# Altium PCB PCB_SDR.PcbDoc (part 1 of 6) (continued)
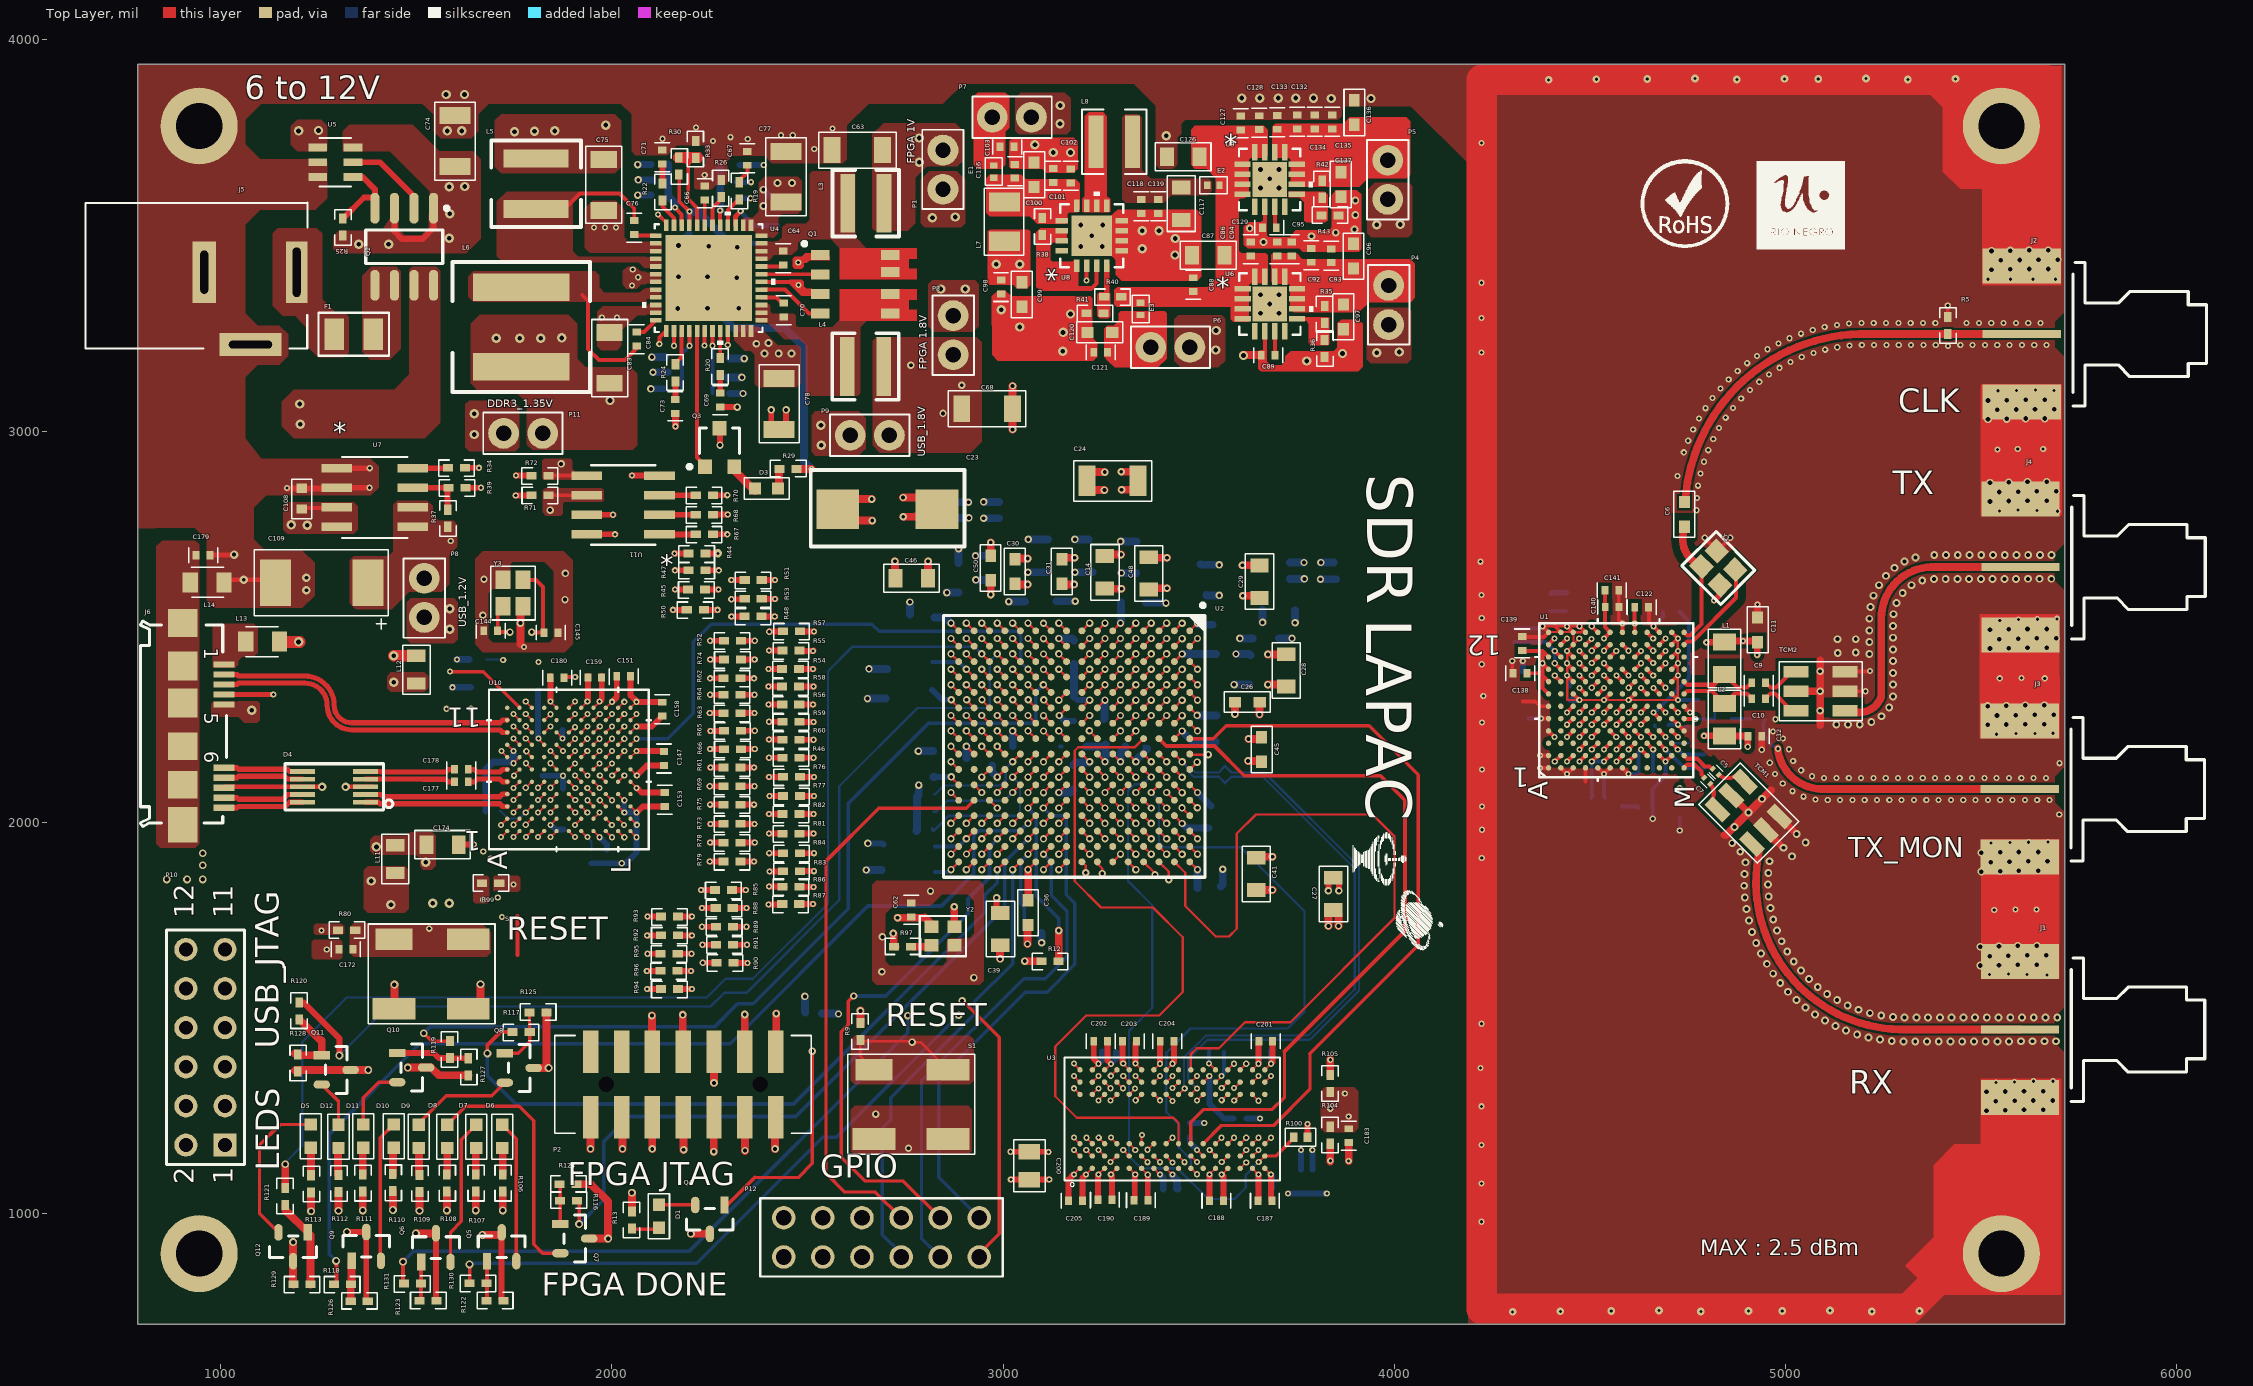
[diagram p0: Top Layer view]
## Classes and differential pairs
net class DDR3_Diff80: DDR3_DQS0_N DDR3_DQS0_P DDR3_DQS1_N DDR3_DQS1_P
net class DDR3_DQS: DDR3_DQS0_N DDR3_DQS0_P DDR3_DQS1_N DDR3_DQS1_P
net class DDR3_DM: DDR3_DM0 DDR3_DM1
net class DDR3_CLK: DDR3_CKL_N DDR3_CKL_P
net class DDR3_BA: DDR3_BA0 DDR3_BA1 DDR3_BA2
net class DDR3_Address: DDR3_A0 DDR3_A1 DDR3_A2 DDR3_A3 DDR3_A4 DDR3_A5 DDR3_A6 DDR3_A7 DDR3_A8 DDR3_A9 DDR3_A10 DDR3_A11 DDR3_A12 DDR3_A13
net class DataGroup: DDR3_DM0 DDR3_DM1 DDR3_DQ0 DDR3_DQ1 DDR3_DQ2 DDR3_DQ3 DDR3_DQ4 DDR3_DQ5 DDR3_DQ6 DDR3_DQ7 DDR3_DQ8 DDR3_DQ9 DDR3_DQ10 DDR3_DQ11 DDR3_DQ12 DDR3_DQ13 DDR3_DQ14 DDR3_DQ15 DDR3_DQS0_N DDR3_DQS0_P DDR3_DQS1_N DDR3_DQS1_P
net class ControlGroup: DDR3_CAS DDR3_CKE DDR3_ODT DDR3_RAS DDR3_RESET DDR3_WE N_CS
net class ClockGroup: DDR3_CKL_N DDR3_CKL_P
net class AddressGroup: DDR3_A0 DDR3_A1 DDR3_A2 DDR3_A3 DDR3_A4 DDR3_A5 DDR3_A6 DDR3_A7 DDR3_A8 DDR3_A9 DDR3_A10 DDR3_A11 DDR3_A12 DDR3_A13 DDR3_BA0 DDR3_BA1 DDR3_BA2
net class GPIO[5..0]: GPIO0 GPIO1 GPIO2 GPIO3 GPIO4 GPIO5
net class RF_Diff100: C_RXA_N C_RXA_P C_TXA_N C_TXA_P RXA_N RXA_P TXA_N TXA_P XTAL_N XTAL_P
net class DDR3_Diff100: DDR3_CKL_N DDR3_CKL_P DDR3_DQS0_N DDR3_DQS0_P DDR3_DQS1_N DDR3_DQS1_P
net class DDR3_Data: DDR3_DQ0 DDR3_DQ1 DDR3_DQ2 DDR3_DQ3 DDR3_DQ4 DDR3_DQ5 DDR3_DQ6 DDR3_DQ7 DDR3_DQ8 DDR3_DQ9 DDR3_DQ10 DDR3_DQ11 DDR3_DQ12 DDR3_DQ13 DDR3_DQ14 DDR3_DQ15
net class AD9364_CTRL_OUT[7..0]: AD9364_CTRL_OUT0 AD9364_CTRL_OUT1 AD9364_CTRL_OUT2 AD9364_CTRL_OUT3 AD9364_CTRL_OUT4 AD9364_CTRL_OUT5 AD9364_CTRL_OUT6 AD9364_CTRL_OUT7
net class AD9364_CTRL_IN[3..0]: AD9364_CTRL_IN0 AD9364_CTRL_IN1 AD9364_CTRL_IN2 AD9364_CTRL_IN3
net class AD9364_SPI_4Wires: SPI_CLK SPI_DI SPI_DO SPI_EN
net class USB_R_Control: R_CTL0 R_CTL1 R_CTL2 R_CTL3 R_CTL4 R_CTL5 R_CTL6 R_CTL7 R_CTL8 R_CTL9 R_CTL10 R_CTL11 R_CTL12
net class LEDS[7..0]: LEDS0 LEDS1 LEDS2 LEDS3 LEDS4 LEDS5 LEDS6 LEDS7
net class DIFF_90: CAPTX_N CAPTX_P D_N D_P ESDSSRX_N ESDSSRX_P ESDSSTX_N ESDSSTX_P SSRX_N SSRX_P SSTX_N SSTX_P
net class "USB 3.0": CAPTX_N CAPTX_P D_N D_P ESDSSRX_N ESDSSRX_P
component class GPIO: C211 D5 D6 D7 D8 D9 D10 D11 D12 P12 Q5 Q6 Q7 Q8 Q9 Q10 Q11 Q12 R106 R107 R108 R109 R110 R111 R112 R113 R116 R117 R118 R119 R120 R121 R122 R123 R124 R125 R126 R127 R128 R129 R130 R131
component class USB_3.0: C144 C145 C146 C147 C148 C149 C150 C151 C152 C153 C154 C155 C156 C157 C158 C159 C160 C161 C162 C163 C164 C165 C166 C167 C168 C169 C170 C171 C172 C173 C174 C175 C176 C177 C178 C179 C180 D4 J6 L9 L10 L11 L12 L13 L14 P8 P9 P10 R44 R45 R46 R47 R48 R49 R50 R51 R52 R53 R54 R55 R56 R57 R58 R59 R60 R61 R62 R63 R64 R65 R66 R67 R68 R69 R70 R71 R72 R73 R74 R75 R76 R77 R78 R79 R80 R81 R82 R83 R84 R85 R86 R87 R88 R89 R90 R91 R92 R93 R94 R95 R96 R98 R99 S2 U10 U11 Y3
component class Power: C63 C64 C65 C66 C67 C68 C69 C70 C71 C72 C73 C74 C75 C76 C77 C78 C79 C80 C81 C82 C83 C84 C85 C86 C87 C88 C89 C92 C93 C94 C95 C96 C97 C98 C99 C100 C101 C102 C103 C108 C109 C116 C117 C118 C119 C120 C121 C126 C127 C128 C129 C132 C133 C134 C135 C136 C137 D3 E1 E2 E3 F1 J5 L3 L4 L5 L6 L7 L8 P4 P5 P6 P7 Q1 Q2 Q3 R17 R18 R19 R20 R21 R22 R23 R24 R25 R26 R27 R28 R29 R30 R31 R32 R33 R34 R35 R36 R37 R38 R39 R40 R41 R42 R43 R114 R115 U4 U5 U6 U7 U8 U9
component class FPGA: C13 C14 C15 C16 C17 C18 C19 C20 C21 C22 C23 C24 C25 C26 C27 C28 C29 C30 C31 C32 C33 C34 C35 C36 C37 C38 C39 C40 C41 C42 C43 C44 C45 C46 C47 C48 C49 C50 C51 C52 C53 C54 C55 C56 C57 C58 C59 C62 D1 P1 P2 P3 Q4 R9 R10 R11 R12 R13 R14 R15 R16 R97 S1 U2 Y2
component class AD9364_RF: C5 C6 C7 C8 C9 C10 C11 C12 J1 J2 J3 J4 L1 L2 PGA1 R5 R6 R7 TCBT1 TCM1 TCM2 x1 Y1
component class AD9364_Interface: C1 C2 C3 C4 C90 C91 C104 C105 C106 C107 C110 C111 C112 C113 C114 C115 C122 C123 C124 C125 C130 C131 C138 C139 C140 C141 C142 C143 R1 R2 R3 R4 U1
net class F_CTL[12..0]: F_CTL0 F_CTL1 F_CTL2 F_CTL3 F_CTL4 F_CTL5 F_CTL6 F_CTL7 F_CTL8 F_CTL9 F_CTL10 F_CTL11 F_CTL12
net class F_DQ[31..0]: F_DQ0 F_DQ1 F_DQ2 F_DQ3 F_DQ4 F_DQ5 F_DQ6 F_DQ7 F_DQ8 F_DQ9 F_DQ10 F_DQ11 F_DQ12 F_DQ13 F_DQ14 F_DQ15 F_DQ16 F_DQ17 F_DQ18 F_DQ19 F_DQ20 F_DQ21 F_DQ22 F_DQ23 F_DQ24 F_DQ25 F_DQ26 F_DQ27 F_DQ28 F_DQ29 F_DQ30 F_DQ31
component class DDR3_Memory: C61 C181 C182 C183 C186 C187 C188 C189 C190 C193 C194 C195 C196 C200 C201 C202 C203 C204 C205 C206 C207 P11 R100 R101 R102 R103 R104 R105 R132 U3
net class DDR3_DQ[0..15]: DDR3_DQ0 DDR3_DQ1 DDR3_DQ2 DDR3_DQ3 DDR3_DQ4 DDR3_DQ5 DDR3_DQ6 DDR3_DQ7 DDR3_DQ8 DDR3_DQ9 DDR3_DQ10 DDR3_DQ11 DDR3_DQ12 DDR3_DQ13 DDR3_DQ14 DDR3_DQ15
net class DDR3_A[0..13]: DDR3_A0 DDR3_A1 DDR3_A2 DDR3_A3 DDR3_A4 DDR3_A5 DDR3_A6 DDR3_A7 DDR3_A8 DDR3_A9 DDR3_A10 DDR3_A11 DDR3_A12 DDR3_A13
net class DDR3_BA[0..2]: DDR3_BA0 DDR3_BA1 DDR3_BA2
net class DDR3_DM[0..1]: DDR3_DM0 DDR3_DM1
net class AD9364_Digital: AD9364_CTRL_IN0 AD9364_CTRL_IN1 AD9364_CTRL_IN2 AD9364_CTRL_IN3 AD9364_CTRL_OUT0 AD9364_CTRL_OUT1 AD9364_CTRL_OUT2 AD9364_CTRL_OUT3 AD9364_CTRL_OUT4 AD9364_CTRL_OUT5 AD9364_CTRL_OUT6 AD9364_CTRL_OUT7 AD9364_P0D0 AD9364_P0D1 AD9364_P0D2 AD9364_P0D3 AD9364_P0D4 AD9364_P0D5 AD9364_P0D6 AD9364_P0D7 AD9364_P0D8 AD9364_P0D9 AD9364_P0D10 AD9364_P0D11 AD9364_P1D0 AD9364_P1D1 AD9364_P1D2 AD9364_P1D3 AD9364_P1D4 AD9364_P1D5 AD9364_P1D6 AD9364_P1D7 AD9364_P1D8 AD9364_P1D9 AD9364_P1D10 AD9364_P1D11 CLK_OUT DATA_CLK EN_AGC ENABLE_AD9364 F_FB_CLK F_RX_FRAME F_TX_FRAME SPI_CLK SPI_DI SPI_DO SPI_EN SYNC_IN_F TXNRX
net class USB_R_DATA: R_DQ0 R_DQ1 R_DQ2 R_DQ3 R_DQ4 R_DQ5 R_DQ6 R_DQ7 R_DQ8 R_DQ9 R_DQ10 R_DQ11 R_DQ12 R_DQ13 R_DQ14 R_DQ15 R_DQ16 R_DQ17 R_DQ18 R_DQ19 R_DQ20 R_DQ21 R_DQ22 R_DQ23 R_DQ24 R_DQ25 R_DQ26 R_DQ27 R_DQ28 R_DQ29 R_DQ30 R_DQ31
net class AD9364_Other: CLK_OUT DATA_CLK EN_AGC ENABLE_AD9364 F_FB_CLK F_RX_FRAME F_TX_FRAME SYNC_IN_F TXNRX
net class AD9364_P1D[11..0]: AD9364_P1D0 AD9364_P1D1 AD9364_P1D2 AD9364_P1D3 AD9364_P1D4 AD9364_P1D5 AD9364_P1D6 AD9364_P1D7 AD9364_P1D8 AD9364_P1D9 AD9364_P1D10 AD9364_P1D11
net class AD9364_DataPorts: AD9364_P0D0 AD9364_P0D1 AD9364_P0D2 AD9364_P0D3 AD9364_P0D4 AD9364_P0D5 AD9364_P0D6 AD9364_P0D7 AD9364_P0D8 AD9364_P0D9 AD9364_P0D10 AD9364_P0D11 AD9364_P1D0 AD9364_P1D1 AD9364_P1D2 AD9364_P1D3 AD9364_P1D4 AD9364_P1D5 AD9364_P1D6 AD9364_P1D7 AD9364_P1D8 AD9364_P1D9 AD9364_P1D10 AD9364_P1D11
net class AD9364_P0D[11..0]: AD9364_P0D0 AD9364_P0D1 AD9364_P0D2 AD9364_P0D3 AD9364_P0D4 AD9364_P0D5 AD9364_P0D6 AD9364_P0D7 AD9364_P0D8 AD9364_P0D9 AD9364_P0D10 AD9364_P0D11
net class AD9364_Clock: XTAL_N XTAL_P
net class AD9364_RF: C_RXA_N C_RXA_P C_TXA_N C_TXA_P TX_MON XTAL_N XTAL_P
net class AD9364_Rx: C_RXA_N C_RXA_P
net class AD9364_TxMon: TX_MON
net class AD9364_Tx: C_TXA_N C_TXA_P
net class FPGA_Signals: F_CTL0 F_CTL1 F_CTL2 F_CTL3 F_CTL4 F_CTL5 F_CTL6 F_CTL7 F_CTL8 F_CTL9 F_CTL10 F_CTL11 F_CTL12 F_DQ0 F_DQ1 F_DQ2 F_DQ3 F_DQ4 F_DQ5 F_DQ6 F_DQ7 F_DQ8 F_DQ9 F_DQ10 F_DQ11 F_DQ12 F_DQ13 F_DQ14 F_DQ15 F_DQ16 F_DQ17 F_DQ18 F_DQ19 F_DQ20 F_DQ21 F_DQ22 F_DQ23 F_DQ24 F_DQ25 F_DQ26 F_DQ27 F_DQ28 F_DQ29 F_DQ30 F_DQ31 F_INT_CTL F_PCLK FCS_B FPGA_CCLK FPGA_CLK_100MHZ FPGA_DONE FPGA_JTAG_TCK FPGA_JTAG_TDI FPGA_JTAG_TDO FPGA_JTAG_TMS FPGA_PROGRA_B FPGA_PUDC_B FPGA_SPI_MISO FPGA_SPI_MOSI FX3_GPIO52 GPIO0 GPIO1 GPIO2 GPIO3 GPIO4 GPIO5 LEDS0 LEDS1 LEDS2 LEDS3 LEDS4 LEDS6 LEDS7 M0 M1 M2
net class USB_FPGA_Confing: FPGA_CCLK FPGA_PROGRA_B FPGA_SPI_MISO FPGA_SPI_MOSI FX3_GPIO52
differential pair XTAL: +XTAL_P -XTAL_N
differential pair TXA: +TXA_P -TXA_N
differential pair RXA: +RXA_P -RXA_N
differential pair C_TXA: +C_TXA_P -C_TXA_N
differential pair C_RXA: +C_RXA_P -C_RXA_N
differential pair DDR3_DQS0: +DDR3_DQS0_P -DDR3_DQS0_N
differential pair DDR3_DQS1: +DDR3_DQS1_P -DDR3_DQS1_N
differential pair DDR3_CKL: +DDR3_CKL_P -DDR3_CKL_N
differential pair CAPTX: +CAPTX_P -CAPTX_N
differential pair D: +D_P -D_N
differential pair ESDSSRX: +ESDSSRX_P -ESDSSRX_N
differential pair ESDSSTX: +ESDSSTX_P -ESDSSTX_N
differential pair SSRX: +SSRX_P -SSRX_N
differential pair SSTX: +SSTX_P -SSTX_N

## Components (designator, comment, footprint, x,y, rotation, side; value= is the part's Value field where it differs from the comment)
C1 "Cap" GRM0402MurataCap 4639.85,2087 r0 bottom
C2 "Cap" GRM0402MurataCap 4457.44,2537.43 r0 bottom
C3 "10V" GRM0402MurataCap 4641.85,2037 r0 bottom
C4 "10V" GRM0402MurataCap 4457.44,2586.64 r0 bottom
C5 "Cap" C0603C061H180J 4821,2129 r135 top
C6 "Cap" GRM0603MurataCap 4741,2787 r90 top
C7 "Cap" C0603C061H180J 4799,2106 r135 top
C8 "Cap" GRM0402MurataCap 4929,2265 r0 bottom
C9 "Cap" GRM0402MurataCap 4930.85,2357 r180 top
C10 "Cap" GRM0402MurataCap 4930.85,2316 r180 top
C11 "Cap" GRM0603MurataCap 4928,2492 r270 top
C12 "Cap" GRM0402MurataCap 4921,2220 r0 top
C13 "Cap" GRM0805MurataCap 3111,2682 r90 bottom
C14 "Cap" GRM0805MurataCap 3260,2639 r90 top
C15 "Cap" GRM0805MurataCap 3097.15,2565 r0 bottom
C16 "Cap" GRM0805MurataCap 3350,2677 r270 bottom
C17 "Cap" GRM0603MurataCap 3343,2194 r0 bottom
C18 "Cap" GRM0603MurataCap 3177,2194 r0 bottom
C19 "Cap" GRM0603MurataCap 3181,2290 r90 bottom
C20 "Cap" GRM0603MurataCap 3259,2227 r270 bottom
C21 "Cap" GRM0603MurataCap 3056,2195 r180 bottom
C22 "Cap" GRM0603MurataCap 3180,2107 r270 bottom
C23 "Cap Pol3" 7343 2704,2800 r180 top
C24 "Cap" GRM1210MurataCap 3279.5,2873 r0 top
C25 "Cap" GRM0603MurataCap 3672,2472 r180 bottom
C26 "Cap" GRM0603MurataCap 3624,2307 r0 top
C27 "Cap" GRM0805MurataCap 3844,1817 r90 top
C28 "Cap" GRM0805MurataCap 3723,2388 r90 top
C29 "Cap" GRM0805MurataCap 3655,2615 r270 top
C30 "Cap" GRM0603MurataCap 3030,2641 r90 top
C31 "Cap" GRM0603MurataCap 3150,2641 r90 top
C32 "Cap" GRM0603MurataCap 3634,2391 r90 bottom
C33 "Cap" GRM0603MurataCap 2818,2370 r270 bottom
C34 "Cap" GRM0805MurataCap 2705,2352 r270 bottom
C35 "Cap" GRM0805MurataCap 3504,2618 r270 bottom
C36 "Cap" GRM0603MurataCap 3063,1769 r270 top
C37 "Cap" GRM0603MurataCap 2821,1903 r270 bottom
C38 "Cap" GRM0603MurataCap 2938,2153 r180 bottom
C39 "Cap" GRM0805MurataCap 2993,1727 r270 top
C40 "Cap" GRM0603MurataCap 2825,2155 r90 bottom
C41 "Cap" GRM0805MurataCap 3647,1868 r270 top
C42 "Cap" GRM0603MurataCap 3537,2012 r90 bottom
C43 "Cap" GRM0603MurataCap 3525,1832 r0 bottom
C44 "Cap" GRM0603MurataCap 2694,1912 r270 bottom
C45 "Cap" GRM0603MurataCap 3660,2186 r270 top
C46 "Cap" GRM0805MurataCap 2766,2624 r0 top
C47 "Cap" GRM0805MurataCap 3238,2681 r90 bottom
C48 "Cap" GRM0805MurataCap 3372,2636 r90 top
C49 "Cap" GRM0603MurataCap 2793,2523 r180 bottom
C50 "Cap" GRM0603MurataCap 2968,2650 r90 top
C51 "Cap" GRM0603MurataCap 2967,2650 r90 bottom
C52 "Cap" GRM0805MurataCap 3705,2557 r0 bottom
C53 "Cap" GRM0603MurataCap 3544,2240 r270 bottom
C54 "Cap" GRM0603MurataCap 3540,2468 r90 bottom
C55 "Cap" GRM0603MurataCap 3333,2561 r0 bottom
C56 "Cap" GRM0603MurataCap 2886,2623 r90 bottom
C57 "Cap" GRM0603MurataCap 3180,2434 r270 bottom
C58 "Cap" GRM1210MurataCap 2938,2799 r180 bottom
C59 "Cap" GRM1210MurataCap 3789.85,2646 r0 bottom
C61 "Cap" GRM0402MurataCap 3669,1418 r0 bottom
C62 "Cap" GRM0402MurataCap 2765,1776 r90 top
C63 "Cout11" GRM1206MurataCap 2627,3718 r0 top
C64 "Cbst11" GRM0402MurataCap 2438,3442 r90 top
C65 "Cf11" GRM0402MurataCap 2298,3636 r0 bottom
C66 "Cv" GRM0402MurataCap 2237,3608 r270 top
C67 "Cc11" GRM0402MurataCap 2346,3697 r90 top
C68 "Cout12" GRM1206MurataCap 2959,3057 r180 top
C69 "Cc12" GRM0402MurataCap 2276.57,3078.94 r270 top
C70 "Cbst12" GRM0402MurataCap 2439,3309 r270 top
C71 "Cc13" GRM0402MurataCap 2129,3700 r90 top
C72 "Cf12" GRM0402MurataCap 2277,3137 r0 bottom
C73 "Cc14" GRM0402MurataCap 2162,3063 r270 top
C74 "Cap" GRM1210MurataCap 1599,3741 r270 top
C75 "Cout13" GRM1206MurataCap 1979,3629 r90 top
C76 "Cbst13" GRM0402MurataCap 2057,3520 r90 top
C77 "Cin11" GRM1210MurataCap 2445,3650 r270 top
C78 "Cin12" GRM1210MurataCap 2427,3069 r90 top
C79 "Cin13" GRM1210MurataCap 1985,3501 r270 bottom
C80 "Cin14" GRM1210MurataCap 1986,3291 r90 bottom
C81 "Cvreg" GRM0402MurataCap 2197,3525 r270 bottom
C82 "Cf13" GRM0402MurataCap 2122,3642 r180 bottom
C83 "Cout14" GRM1206MurataCap 1994,3187 r270 top
C84 "Cbst14" GRM0402MurataCap 2063,3235 r270 top
C85 "Cf14" GRM0402MurataCap 2159.25,3150.13 r180 bottom
C86 "Cap" GRM0402MurataCap 3633,3465 r270 top
C87 "Cap" GRM0805MurataCap 3524,3449 r0 top
C88 "Cap" GRM0402MurataCap 3486,3374 r270 top
C89 "Cap" GRM0402MurataCap 3677.11,3194 r180 top
C90 "Cap" GRM0402MurataCap 4344.85,2478 r270 bottom
C91 "10V" GRM0402MurataCap 4306.85,2478 r270 bottom
C92 "Cap" GRM0402MurataCap 3787.37,3449 r270 top
C93 "Cap" GRM0402MurataCap 3838,3448 r270 top
C94 "Cap" GRM0402MurataCap 3700,3465 r270 top
C95 "Cap" GRM0402MurataCap 3737,3465 r270 top
C96 "Cap" GRM0603MurataCap 3895,3447 r270 top
C97 "Cap" GRM0603MurataCap 3869.37,3292 r90 top
C98 "Cap" GRM0402MurataCap 2994.37,3368 r90 top
C99 "Cap" GRM0603MurataCap 3048,3349 r90 top
C100 "Cap" GRM0603MurataCap 3079,3655 r270 top
C101 "Cap" GRM0402MurataCap 3128,3653 r270 top
C102 "Cap" GRM0402MurataCap 3173,3652 r270 top
C103 "Cap" GRM0402MurataCap 3010,3726 r180 top
C104 "10V" GRM0402MurataCap 4343,2283 r90 bottom
C105 "Cap" GRM0402MurataCap 4428.85,2349 r180 bottom
C106 "Cap" GRM0402MurataCap 4428.85,2309 r180 bottom
C107 "10V" GRM0402MurataCap 4328,2367 r270 bottom
C108 "Cap Pol3" CapTalCaseM 1207,2827 r90 top
C109 "Cap Pol3" TAJ_DorE2917 1258,2612 r180 top
C110 "Cap" GRM0402MurataCap 4522,2060 r180 bottom
C111 "10V" GRM0402MurataCap 4522,2095 r180 bottom
C112 "Cap" GRM0402MurataCap 4641.85,2161 r0 bottom
C113 "10V" GRM0402MurataCap 4641.85,2129 r0 bottom
C114 "Cap" GRM0402MurataCap 4790,2152 r270 bottom
C115 "10V" GRM0402MurataCap 4755,2153 r270 bottom
C116 "10V" GRM0402MurataCap 3030,3664 r90 top
C117 "Cap" GRM0805MurataCap 3455,3581 r90 top
C118 "Cap" GRM0402MurataCap 3353,3574 r90 top
C119 "Cap" GRM0402MurataCap 3396,3574 r90 top
C120 "Cap" GRM0603MurataCap 3247,3252 r0 top
C121 "Cap" GRM0402MurataCap 3249,3201 r0 top
C122 "10V" GRM0402MurataCap 4631.85,2550 r180 top
C123 "Cap" GRM0402MurataCap 4596.85,2536 r0 bottom
C124 "Cap" GRM0402MurataCap 4599.85,2478 r0 bottom
C125 "10V" GRM0402MurataCap 4668.85,2536 r180 bottom
C126 "Cap" GRM0805MurataCap 3460,3701 r0 top
C127 "Cap" GRM0402MurataCap 3607,3787 r270 top
C128 "Cap" GRM0402MurataCap 3654,3788 r270 top
C129 "Cap" GRM0402MurataCap 3680.11,3520 r180 top
C130 "Cap" GRM0402MurataCap 4682.85,2248 r180 bottom
C131 "10V" GRM0402MurataCap 4753,2226 r270 bottom
C132 "Cap" GRM0402MurataCap 3751,3790 r270 top
C133 "Cap" GRM0402MurataCap 3700,3789 r270 top
C134 "Cap" GRM0402MurataCap 3796,3790 r270 top
C135 "Cap" GRM0402MurataCap 3841,3790 r270 top
C136 "Cap" GRM0603MurataCap 3897,3814 r270 top
C137 "Cap" GRM0603MurataCap 3863,3630 r90 top
C138 "Cap" GRM0402MurataCap 4321,2381 r0 top
C139 "10V" GRM0402MurataCap 4326.85,2457 r270 top
C140 "Cap" GRM0402MurataCap 4556.43,2550.25 r180 top
C141 "10V" GRM0402MurataCap 4555.44,2592.57 r180 top
C142 "Cap" GRM0402MurataCap 4429.85,2190 r0 bottom
C143 "10V" GRM0402MurataCap 4448,2095 r0 bottom
C144 "Cap" GRM0402MurataCap 1690,2489 r180 top
C145 "Cap" GRM0402MurataCap 1844,2485 r0 top
C146 "Cap" GRM0402MurataCap 1874,2254.03 r270 bottom
C147 "Cap" GRM0402MurataCap 2133,2163 r90 top
C148 "Cap" GRM0402MurataCap 1695,2029 r0 bottom
C149 "Cap" GRM0402MurataCap 1987,1913 r90 bottom
C150 "Cap" GRM0402MurataCap 1884,2340 r0 bottom
C151 "Cap" GRM0402MurataCap 2030,2373 r180 top
C152 "Cap" GRM0402MurataCap 2030,2340 r180 bottom
C153 "Cap" GRM0402MurataCap 2135,2058 r90 top
C154 "Cap" GRM0805MurataCap 1680,2345 r180 bottom
C155 "Cap" GRM0402MurataCap 1675,2275 r90 bottom
C156 "Cap" GRM0402MurataCap 1715,2275 r90 bottom
C157 "Cap" GRM0402MurataCap 1955,2340 r0 bottom
C158 "Cap" GRM0402MurataCap 2128,2289 r270 top
C159 "Cap" GRM0402MurataCap 1956,2370 r0 top
C160 "Cap" GRM0402MurataCap 1735,1891 r0 bottom
C161 "Cap" GRM0402MurataCap 1735,1931 r0 bottom
C162 "Cap" GRM0402MurataCap 1875,1999 r90 bottom
C163 "Cap" GRM0402MurataCap 1875,2069 r270 bottom
C164 "Cap" GRM0402MurataCap 1929,1930 r180 bottom
C165 "Cap" GRM0402MurataCap 1930,1895 r180 bottom
C166 "Cap" GRM0402MurataCap 1795,2378 r180 bottom
C167 "Cap" GRM0402MurataCap 1796,2340 r180 bottom
C168 "Cap" GRM0402MurataCap 1637,2202 r270 bottom
C169 "Cap" GRM0402MurataCap 1678,2202 r90 bottom
C170 "Cap" GRM0402MurataCap 1677,1970 r90 bottom
C171 "Cap" GRM0805MurataCap 1628,1842 r0 bottom
C172 "Cap" GRM0402MurataCap 1320,1676 r0 top
C173 "Cap" GRM0402MurataCap 1694,2079 r0 bottom
C174 "Cap" GRM0805MurataCap 1567,1943 r0 top
C175 "Cap" GRM0402MurataCap 1806,2118 r180 bottom
C176 "Cap" GRM0402MurataCap 1720,2135 r270 bottom
C177 "" GRM0402MurataCap 1615,2103 r0 top
C178 "" GRM0402MurataCap 1615,2135 r0 top
C179 "" GRM0402MurataCap 955,2683 r180 top
C180 "Cap" GRM0402MurataCap 1860,2369 r0 top
C181 "Cap" GRM0402MurataCap 3547,1413 r180 bottom
C182 "Cap" GRM0402MurataCap 3428,1056 r180 bottom
C183 "Cap" GRM0402MurataCap 3883,1199 r90 top
C186 "Cap" TaiyoYudenCapMK212 3777,1086 r90 bottom
C187 "Cap" GRM0402MurataCap 3669,1033 r0 top
C188 "Cap" GRM0402MurataCap 3545,1033 r180 top
C189 "Cap" GRM0402MurataCap 3352,1034 r180 top
C190 "Cap" GRM0402MurataCap 3260,1035 r0 top
C193 "Cap" GRM0402MurataCap 3669,1065 r0 bottom
C194 "Cap" GRM0402MurataCap 3260,1065 r0 bottom
C195 "Cap" GRM0402MurataCap 3545,1066 r180 bottom
C196 "Cap" GRM0402MurataCap 3353,1065 r180 bottom
C200 "Cap" TaiyoYudenCapMK212 3067,1122 r90 top
C201 "Cap" GRM0402MurataCap 3671,1440 r0 top
C202 "Cap" GRM0402MurataCap 3249,1440 r180 top
C203 "Cap" GRM0402MurataCap 3323,1440 r0 top
C204 "Cap" GRM0402MurataCap 3419,1440 r180 top
C205 "Cap" GRM0402MurataCap 3185,1033 r0 top
C206 "Cap" GRM0402MurataCap 3186,1060 r0 bottom
C207 "Cap" GRM0402MurataCap 3270,1410 r180 bottom
D1 "LED2" LTSTC191 2120,993 r90 top
D3 "LED2" LTSTC191 2395,2853 r180 top
D4 "82401444" MSOP-10L 1289.91,2090.58 r180 top
D5 "LED2" LTSTC191 1230,1198 r90 top
D6 "LED2" LTSTC191 1719.92,1197.06 r90 top
D7 "LED2" LTSTC191 1652.99,1197.06 r90 top
D8 "LED2" LTSTC191 1579.17,1197.06 r90 top
D9 "LED2" LTSTC191 1506.34,1197.06 r90 top
D10 "LED2" LTSTC191 1442,1198 r90 top
D11 "LED2" LTSTC191 1364,1198 r90 top
D12 "LED2" LTSTC191 1301,1197 r90 top
E1 "75 ohms" BLM15BA750SN1D 2976.11,3663 r90 top
E2 "120 ohms" BLM15BA750SN1D 3537,3628 r0 top
E3 "75 ohms" BLM15BA750SN1D 3351,3312 r270 top
F1 "SF-1206F400-2" SF-1206F400-2 1340,3247 r0 top
J1 "142-0701-851" J502-ND-142-0701-851/861 5699.85,1470.5 r180 top
J2 "142-0701-851" J502-ND-142-0701-851/861 5704,3248 r180 top
J3 "142-0701-851" J502-ND-142-0701-851/861 5699,2085 r180 top
J4 "142-0701-851" J502-ND-142-0701-851/861 5701,2652.5 r180 top
J5 "PJ-002BH" PJ-002BH 1076,3406 r180 top
J6 "692622030100" 692622030100 905,2239 r270 top
L1 "B82498F3331J" B82498F3331J 4843,2419 r90 top
L2 "B82498F3331J" B82498F3331J 4843.85,2262 r270 top
L3 "L11" XAL4040-152 2649,3582 r0 top
L4 "L12" XAL4040-152 2648,3165 r0 top
L5 "L13" XAL5050-153 1806,3632 r90 top
L6 "L14" XAL8080-682 1768,3266 r270 top
L7 "0.47uH" LQH32PNR47NN0L 3003,3535 r90 top
L8 "XFL4020-222MEB" "XFL4020 SERIES" 3284,3739 r0 top
L9 "MPZ2012S601A" MPZ2012 1578,2220 r270 bottom
L10 "MPZ2012S601A" MPZ2012 1488,1840 r0 bottom
L11 "MPZ2012S601A" MPZ2012 1446,1906 r90 top
L12 "MPZ2012S601A" MPZ2012 1500,2390.03 r270 top
L13 "BLM21PG221SN1D" BLM21 1107,2462.03 r180 top
L14 "BLM21PG221SN1D" BLM21 965,2613.03 r0 top
P1 "Header 2" Header2x1 2846,3668 r180 top
P2 "Header 7X2" MolexHeader2x7_ 2182,1330 r180 top locked
P3 "Header 2" Header2x1 2872,3245 r0 top
P4 "Header 2" Header2x1 3985,3322 r180 top
P5 "Header 2" Header2x1 3983,3642 r180 top
P6 "Header 2" Header2x1 3427,3214 r90 top
P7 "Header 2" Header2x1 3022,3802 r90 top
P8 "Header 2" Header2x1 1520.28,2573.6 r0 top
P9 "Header 2" Header2x1 2659,2989 r270 top
P10 "Header 6X2" HDR2X6 1011,1175 r90 top
P11 "Header 2" Header2x1 1773,2994 r270 top
P12 "" PPTC062LJBN-RC 2689,939 r0 top
Q1 "BSC072N03LD G" INF-PG-TDSON-8-4_V 2644,3375 r270 top
Q2 "Si4963BDY" SO-8_N 1469,3471 r270 top
Q3 "FDV301N" SOT-23B 2275,2958 r0 top
Q4 "NDS331N" ON_Semi_527AG-01_0 2250,985 r270 top
Q5 "NDS331N" ON_Semi_527AG-01_0 1718,915 r90 top
Q6 "NDS331N" ON_Semi_527AG-01_0 1550,913 r90 top
Q7 "NDS331N" ON_Semi_527AG-01_0 1905,936 r0 top
Q8 "NDS331N" ON_Semi_527AG-01_0 1763,1372 r0 top
Q9 "NDS331N" ON_Semi_527AG-01_0 1372,916 r90 top
Q10 "NDS331N" ON_Semi_527AG-01_0 1488,1373 r0 top
Q11 "NDS331N" ON_Semi_527AG-01_0 1295,1367 r0 top
Q12 "NDS331N" ON_Semi_527AG-01_0 1185,915 r270 top
R1 "" RC0402N 4728,2563 r270 bottom
R2 "1%" RC0402N 4729,2033 r90 bottom
R3 "1%" RC0402N 4580.85,2062 r270 bottom
R4 "1%" RC0402N 4398.39,2561.05 r90 bottom
R5 "1%" RC0402N 5414,3270 r270 top
R6 "1%" RC0402N 4840.33,2265 r180 bottom
R7 "1%" RC0402N 4797,2312 r0 bottom
R9 "1%" RC0402N 2635,1465 r90 top
R10 "1%" RC0402N 3076,1719 r0 bottom
R11 "1%" RC0402N 2515,1511 r180 bottom
R12 "1%" RC0402N 3120,1645 r180 top
R13 "1%" RC0402N 2051,983 r90 top
R14 "1%" RC0402N 2802,2066 r180 bottom
R15 "1%" RC0402N 2801,1980 r180 bottom
R16 "1%" RC0402N 2801,2022 r180 bottom
R17 "Rf11" RC0402N 2299,3595 r0 bottom
R18 "Rf21" RC0402N 2299,3680 r180 bottom
R19 "Rc11" RC0402N 2325,3614 r270 top
R20 "Rc13" RC0402N 2276.77,3164.57 r90 top
R21 "Rf12" RC0402N 2280,3185 r0 bottom
R22 "Rc13" RC0402N 2129,3611 r270 top
R23 "Rf22" RC0402N 2279,3096 r180 bottom
R24 "Rc14" RC0402N 2162.4,3148.82 r90 top
R25 "1%" RC0402N 1312,3521 r270 top
R26 "Rt" RC0402N 2279,3620 r90 top
R27 "Rf13" RC0402N 2122,3603 r180 bottom
R28 "Rf23" RC0402N 2122,3681 r0 bottom
R29 "" RC0402N 2450,2903 r0 top
R30 "Rt1" RC0402N 2171,3677 r270 top
R31 "Rf14" RC0402N 2157,3189 r180 bottom
R32 "Rf24" RC0402N 2155.25,3108.13 r0 bottom
R33 "Rt2" RC0402N 2214,3720 r90 top
R34 "" RC0402N 1603,2906 r180 top
R35 "Rtop" RC0402N 3822.11,3298 r90 top
R36 "Rbot" RC0402N 3821,3211 r270 top
R37 "" RC0402N 1580,2777 r270 top
R38 "1%" RC0402N 3100,3523 r270 top
R39 "" RC0402N 1604,2855 r180 top
R40 "Rtop" RC0402N 3280,3343 r180 top
R41 "Rbot" RC0402N 3234.7,3301.15 r180 top
R42 "Rtop" RC0402N 3815.11,3618 r90 top
R43 "Rbot" RC0402N 3835,3551 r0 top
R44 "" RC0402N 2217,2687 r180 top
R45 "" RC0402N 2216,2595 r180 top
R46 "" RC0402N 2458,2165 r180 top
R47 "" RC0402N 2217,2644 r180 top
R48 "" RC0402N 2360.83,2526.42 r180 top
R49 "" RC0402N 1750,1780 r90 bottom
R50 "" RC0402N 2213,2543 r180 top
R51 "" RC0402N 2361,2619 r180 top
R52 "" RC0402N 2307.63,2463.89 r180 top
R53 "" RC0402N 2361,2571 r180 top
R54 "" RC0402N 2456.63,2391.94 r180 top
R55 "" RC0402N 2458,2439 r180 top
R56 "" RC0402N 2457,2301 r180 top
R57 "" RC0402N 2459,2488 r180 top
R58 "" RC0402N 2456.63,2346.83 r180 top
R59 "" RC0402N 2457.63,2256.78 r180 top
R60 "" RC0402N 2458,2211 r180 top
R61 "" RC0402N 2307,2140 r180 top
R62 "" RC0402N 2307,2368 r180 top
R63 "" RC0402N 2307,2279 r180 top
R64 "" RC0402N 2307,2326 r180 top
R65 "" RC0402N 2308,2234 r180 top
R66 "" RC0402N 2308,2187 r180 top
R67 "" RC0402N 2236,2736 r180 top
R68 "" RC0402N 2236,2786 r180 top
R69 "" RC0402N 2307,2092 r180 top
R70 "" RC0402N 2236,2836 r180 top
R71 "" RC0402N 1816,2836 r180 top
R72 "" RC0402N 1815.88,2885.73 r180 top
R73 "" RC0402N 2307,1996 r180 top
R74 "" RC0402N 2308,2416 r180 top
R75 "" RC0402N 2307,2045 r180 top
R76 "" RC0402N 2459,2116 r180 top
R77 "" RC0402N 2459,2067 r180 top
R78 "" RC0402N 2307,1948 r180 top
R79 "" RC0402N 2307,1900 r180 top
R80 "" RC0402N 1322,1724 r0 top
R81 "" RC0402N 2458,1971 r180 top
R82 "" RC0402N 2458,2021 r180 top
R83 "" RC0402N 2459,1875 r180 top
R84 "" RC0402N 2459,1921 r180 top
R85 "" RC0402N 2285,1827 r180 top
R86 "" RC0402N 2458,1835 r180 top
R87 "" RC0402N 2457,1791 r180 top
R88 "" RC0402N 2287,1781 r180 top
R89 "" RC0402N 2287.3,1733.22 r180 top
R90 "" RC0402N 2289,1641 r180 top
R91 "" RC0402N 2288,1687 r180 top
R92 "" RC0402N 2147,1711 r180 top
R93 "" RC0402N 2147.3,1759.22 r180 top
R94 "" RC0402N 2147,1574 r180 top
R95 "" RC0402N 2146.3,1664.22 r180 top
R96 "" RC0402N 2145.3,1620.22 r180 top
R97 "1%" RC0402N 2743,1682 r0 top
R98 "" RC0402N 1657,2416 r0 bottom
R99 "" RC0402N 1690,1844.03 r0 top
R100 "1%" 0402Resistor 3760,1195 r0 top
R101 "1%" 0402Resistor 3477,1214 r90 bottom
R102 "1%" RC0402N 3567,2122 r270 bottom
R103 "" 0402Resistor 3606,1243 r0 bottom
R104 "1%" RC0402N 3836,1200 r90 top
R105 "1%" RC0402N 3836,1332 r90 top
R106 "1%" RC0402N 1721,1078 r270 top
R107 "1%" RC0402N 1652,1078 r270 top
R108 "1%" RC0402N 1578,1078 r270 top
R109 "1%" RC0402N 1508,1077 r270 top
R110 "1%" RC0402N 1440,1079 r270 top
R111 "1%" RC0402N 1363,1078 r270 top
R112 "1%" RC0402N 1301,1077 r270 top
R113 "1%" RC0402N 1231,1076 r270 top
R114 "1%" RC0402N 2424,3547 r90 bottom
R115 "1%" RC0402N 2365,3502 r90 bottom
R116 "1%" RC0402N 1889,1033 r0 top
R117 "1%" RC0402N 1768,1464 r180 top
R118 "1%" RC0402N 1311,819 r180 top
R119 "1%" RC0402N 1586,1419 r90 top
R120 "1%" RC0402N 1201,1518 r90 top
R121 "1%" RC0402N 1165,1044 r90 top
R122 "" RC0402N 1701,777 r0 top
R123 "" RC0402N 1530,777 r0 top
R124 "" RC0402N 1888,1075 r0 top
R125 "" RC0402N 1811,1514 r0 top
R126 "" RC0402N 1354,776 r0 top
R127 "" RC0402N 1633,1375 r270 top
R128 "" RC0402N 1197,1385 r270 top
R129 "" RC0402N 1208,819 r180 top
R130 "1%" RC0402N 1658,822 r180 top
R131 "1%" RC0402N 1490,821 r180 top
S1 "TL3301AF160QJ" TL3301AF160QJ 2764,1279 r180 top
S2 "TL3301AF160QJ" TL3301AF160QJ 1538,1612 r180 top
TCM1 "RF Tranformer" TCM 4905,2024 r225 top
TCM2 "RF Tranformer" TCM 5088.85,2335 r270 top
U1 "AD9364BBCZ" BC_144_7_ 4566.93,2312.2 r90 top locked
U2 "XC7A100T-1FTG256C" FTG256 3181.5,2194.09 r270 top locked
U3 "MT41K128M16JT-125:K" BGA80P96C6X16_800X1400X110_MT41K128M16JT-125:K_true 3432.35,1241.41 r90 top locked
U4 "ADP5054ACPZ-R7" CP_48_13 2247.05,3390.94 r0 top locked
U5 "LTC4412" TSOT-23_S6 1293,3687 r0 top
U6 "ADP1755ACPZ-R7" CP_16_4 3681.37,3324.77 r0 top
U7 "TPS76801QDR" D8 1394,2830 r0 top
U8 "ADP2164ACPZ-R7" CP_16_26 3225.86,3498.98 r90 top
U9 "ADP1755ACPZ-R7" CP_16_4 3681,3643 r0 top
U10 "CYUSB3014-BZXC" BGA-121 1889.76,2135.04 r90 top locked
U11 "24LC256-I/SN" SOIC8-N_MC 2028.48,2810.93 r180 top
Y1 "FA-20H 40.0000MF10Z-K3" FA-20H 4827.85,2650 r135 top
Y2 "SIT8008AI-72-18E-100.000000G" SiT2002AI-72-18E-100.000000G 2845.77,1709.22 r0 top
Y3 "NX2520SA-19.200000MHz-NBG1" NX2520SA-19.200000MHz 1747,2586.03 r90 top

## Footprints (in the part's own frame and the unit in brackets; to place one, negate y for a bottom-side part, rotate by r counter-clockwise, add the part's x,y. Pads: shape width x height; smd on the part's side, far side on the other; paste and mask are expansions set on the pad)
0402Resistor [mm]
  rect 0.5x0.6 smd: 1(-0.45,0) 2(0.45,0)
  silkscreen extent -0.99,-0.58 0.99,0.58, body extent -0.5,-0.25 0.5,0.25, height 0.36
7343 [mm] "Kemet Cap 7343"
  rect 2.77x2.55 smd: 1(-3.22,0) 2(3.22,0)
  silkscreen extent -5,-2.54 4.98,2.41, body extent -3.8,-2.31 3.8,2.29, height 1.91
692622030100 [mm] "Micro USB 3.0 Type B Horizontal SMT"
  rect 0.4x1.35 smd: 1(-4.17,2.63) 2(-3.52,2.63) 3(-2.87,2.63) 4(-2.22,2.63) 5(-1.57,2.63) 6(2.53,2.63) 7(3.18,2.63) 8(3.83,2.63) 9(4.48,2.63) 10(5.13,2.63)
  rect 1.8x1.9 smd: Shell(-6.87,-0.045) Shell(1.13,-0.045) Shell(3.63,-0.045)
  rect 1.9x1.9 smd: Shell(-4.07,-0.045) Shell(-1.67,-0.045)
  rect 2.3x1.9 smd: Shell(6.23,-0.045)
  silkscreen extent -6.99,-2.8 6.35,2.8, body extent -6.87,-2.8 6.87,2.81, height 2.84
B82498F3331J [mm]
  rect 1.1x1.5 smd: 1(-1.05,0) 2(1.05,0)
  silkscreen extent -1.91,-1.07 1.88,1.04, body extent -1.16,-0.85 1.16,0.85, height 1.4
BC_144_7_ [mil]
  round 14 smd: A1(-173.23,173.23) A2(-141.73,173.23) A3(-110.24,173.23) A4(-78.74,173.23) A5(-47.24,173.23) A6(-15.75,173.23) A7(15.75,173.23) A8(47.24,173.23) A9(78.74,173.23) A10(110.24,173.23) A11(141.73,173.23) A12(173.23,173.23) B1(-173.23,141.73) B2(-141.73,141.73) B3(-110.24,141.73) B4(-78.74,141.73) B5(-47.24,141.73) B6(-15.75,141.73) B7(15.75,141.73) B8(47.24,141.73) B9(78.74,141.73) B10(110.24,141.73) B11(141.73,141.73) B12(173.23,141.73) C1(-173.23,110.24) C2(-141.73,110.24) C3(-110.24,110.24) C4(-78.74,110.24) C5(-47.24,110.24) C6(-15.75,110.24) C7(15.75,110.24) C8(47.24,110.24) C9(78.74,110.24) C10(110.24,110.24) C11(141.73,110.24) C12(173.23,110.24) D1(-173.23,78.74) D2(-141.73,78.74) D3(-110.24,78.74) D4(-78.74,78.74) D5(-47.24,78.74) D6(-15.75,78.74) D7(15.75,78.74) D8(47.24,78.74) D9(78.74,78.74) D10(110.24,78.74) D11(141.73,78.74) D12(173.23,78.74) E1(-173.23,47.24) E2(-141.73,47.24) E3(-110.24,47.24) E4(-78.74,47.24) E5(-47.24,47.24) E6(-15.75,47.24) E7(15.75,47.24) E8(47.24,47.24) E9(78.74,47.24) E10(110.24,47.24) E11(141.73,47.24) E12(173.23,47.24) F1(-173.23,15.75) F2(-141.73,15.75) F3(-110.24,15.75) F4(-78.74,15.75) F5(-47.24,15.75) F6(-15.75,15.75) F7(15.75,15.75) F8(47.24,15.75) F9(78.74,15.75) F10(110.24,15.75) F11(141.73,15.75) F12(173.23,15.75) G1(-173.23,-15.75) G2(-141.73,-15.75) G3(-110.24,-15.75) G4(-78.74,-15.75) G5(-47.24,-15.75) G6(-15.75,-15.75) G7(15.75,-15.75) G8(47.24,-15.75) G9(78.74,-15.75) G10(110.24,-15.75) G11(141.73,-15.75) G12(173.23,-15.75) H1(-173.23,-47.24) H2(-141.73,-47.24) H3(-110.24,-47.24) H4(-78.74,-47.24) H5(-47.24,-47.24) H6(-15.75,-47.24) H7(15.75,-47.24) H8(47.24,-47.24) H9(78.74,-47.24) H10(110.24,-47.24) H11(141.73,-47.24) H12(173.23,-47.24) J1(-173.23,-78.74) J2(-141.73,-78.74) J3(-110.24,-78.74) J4(-78.74,-78.74) J5(-47.24,-78.74) J6(-15.75,-78.74) J7(15.75,-78.74) J8(47.24,-78.74) J9(78.74,-78.74) J10(110.24,-78.74) J11(141.73,-78.74) J12(173.23,-78.74) K1(-173.23,-110.24) K2(-141.73,-110.24) K3(-110.24,-110.24) K4(-78.74,-110.24) K5(-47.24,-110.24) K6(-15.75,-110.24) K7(15.75,-110.24) K8(47.24,-110.24) K9(78.74,-110.24) K10(110.24,-110.24) K11(141.73,-110.24) K12(173.23,-110.24) L1(-173.23,-141.73) L2(-141.73,-141.73) L3(-110.24,-141.73) L4(-78.74,-141.73) L5(-47.24,-141.73) L6(-15.75,-141.73) L7(15.75,-141.73) L8(47.24,-141.73) L9(78.74,-141.73) L10(110.24,-141.73) L11(141.73,-141.73) L12(173.23,-141.73) M1(-173.23,-173.23) M2(-141.73,-173.23) M3(-110.24,-173.23) M4(-78.74,-173.23) M5(-47.24,-173.23) M6(-15.75,-173.23) M7(15.75,-173.23) M8(47.24,-173.23) M9(78.74,-173.23) M10(110.24,-173.23) M11(141.73,-173.23) M12(173.23,-173.23)
  silkscreen extent -207,-207 207,207, body extent -197,-197 197,197, height 39
BGA80P96C6X16_800X1400X110_MT41K128M16JT-125:K_true [mm]
  round 0.35 smd: A1(-3.2,6) A2(-2.4,6) A3(-1.6,6) A7(1.6,6) A8(2.4,6) A9(3.2,6) B1(-3.2,5.2) B2(-2.4,5.2) B3(-1.6,5.2) B7(1.6,5.2) B8(2.4,5.2) B9(3.2,5.2) C1(-3.2,4.4) C2(-2.4,4.4) C3(-1.6,4.4) C7(1.6,4.4) C8(2.4,4.4) C9(3.2,4.4) D1(-3.2,3.6) D2(-2.4,3.6) D3(-1.6,3.6) D7(1.6,3.6) D8(2.4,3.6) D9(3.2,3.6) E1(-3.2,2.8) E2(-2.4,2.8) E3(-1.6,2.8) E7(1.6,2.8) E8(2.4,2.8) E9(3.2,2.8) F1(-3.2,2) F2(-2.4,2) F3(-1.6,2) F7(1.6,2) F8(2.4,2) F9(3.2,2) G1(-3.2,1.2) G2(-2.4,1.2) G3(-1.6,1.2) G7(1.6,1.2) G8(2.4,1.2) G9(3.2,1.2) H1(-3.2,0.4) H2(-2.4,0.4) H3(-1.6,0.4) H7(1.6,0.4) H8(2.4,0.4) H9(3.2,0.4) J1(-3.2,-0.4) J2(-2.4,-0.4) J3(-1.6,-0.4) J7(1.6,-0.4) J8(2.4,-0.4) J9(3.2,-0.4) K1(-3.2,-1.2) K2(-2.4,-1.2) K3(-1.6,-1.2) K7(1.6,-1.2) K8(2.4,-1.2) K9(3.2,-1.2) L1(-3.2,-2) L2(-2.4,-2) L3(-1.6,-2) L7(1.6,-2) L8(2.4,-2) L9(3.2,-2) M1(-3.2,-2.8) M2(-2.4,-2.8) M3(-1.6,-2.8) M7(1.6,-2.8) M8(2.4,-2.8) M9(3.2,-2.8) N1(-3.2,-3.6) N2(-2.4,-3.6) N3(-1.6,-3.6) N7(1.6,-3.6) N8(2.4,-3.6) N9(3.2,-3.6) P1(-3.2,-4.4) P2(-2.4,-4.4) P3(-1.6,-4.4) P7(1.6,-4.4) P8(2.4,-4.4) P9(3.2,-4.4) R1(-3.2,-5.2) R2(-2.4,-5.2) R3(-1.6,-5.2) R7(1.6,-5.2) R8(2.4,-5.2) R9(3.2,-5.2) T1(-3.2,-6) T2(-2.4,-6) T3(-1.6,-6) T7(1.6,-6) T8(2.4,-6) T9(3.2,-6)
  silkscreen extent -4.38,-7 4,7, body extent -4.5,-7.25 4.45,7.25, height 0.77
BGA-121 [mil]
  round 11 smd: A1(-157.48,157.48) A2(-125.98,157.48) A3(-94.49,157.48) A4(-62.99,157.48) A5(-31.5,157.48) A6(0,157.48) A7(31.5,157.48) A8(62.99,157.48) A9(94.49,157.48) A10(125.98,157.48) A11(157.48,157.48) B1(-157.48,125.98) B2(-125.98,125.98) B3(-94.49,125.98) B4(-62.99,125.98) B5(-31.5,125.98) B6(0,125.98) B7(31.5,125.98) B8(62.99,125.98) B9(94.49,125.98) B10(125.98,125.98) B11(157.48,125.98) C1(-157.48,94.49) C2(-125.98,94.49) C3(-94.49,94.49) C4(-62.99,94.49) C5(-31.5,94.49) C6(0,94.49) C7(31.5,94.49) C8(62.99,94.49) C9(94.49,94.49) C10(125.98,94.49) C11(157.48,94.49) D1(-157.48,62.99) D2(-125.98,62.99) D3(-94.49,62.99) D4(-62.99,62.99) D5(-31.5,62.99) D6(0,62.99) D7(31.5,62.99) D8(62.99,62.99) D9(94.49,62.99) D10(125.98,62.99) D11(157.48,62.99) E1(-157.48,31.5) E2(-125.98,31.5) E3(-94.49,31.5) E4(-62.99,31.5) E5(-31.5,31.5) E6(0,31.5) E7(31.5,31.5) E8(62.99,31.5) E9(94.49,31.5) E10(125.98,31.5) E11(157.48,31.5) F1(-157.48,0) F2(-125.98,0) F3(-94.49,0) F4(-62.99,0) F5(-31.5,0) F6(0,0) F7(31.5,0) F8(62.99,0) F9(94.49,0) F10(125.98,0) F11(157.48,0) G1(-157.48,-31.5) G2(-125.98,-31.5) G3(-94.49,-31.5) G4(-62.99,-31.5) G5(-31.5,-31.5) G6(0,-31.5) G7(31.5,-31.5) G8(62.99,-31.5) G9(94.49,-31.5) G10(125.98,-31.5) G11(157.48,-31.5) H1(-157.48,-62.99) H2(-125.98,-62.99) H3(-94.49,-62.99) H4(-62.99,-62.99) H5(-31.5,-62.99) H6(0,-62.99) H7(31.5,-62.99) H8(62.99,-62.99) H9(94.49,-62.99) H10(125.98,-62.99) H11(157.48,-62.99) J1(-157.48,-94.49) J2(-125.98,-94.49) J3(-94.49,-94.49) J4(-62.99,-94.49) J5(-31.5,-94.49) J6(0,-94.49) J7(31.5,-94.49) J8(62.99,-94.49) J9(94.49,-94.49) J10(125.98,-94.49) J11(157.48,-94.49) K1(-157.48,-125.98) K2(-125.98,-125.98) K3(-94.49,-125.98) K4(-62.99,-125.98) K5(-31.5,-125.98) K6(0,-125.98) K7(31.5,-125.98) K8(62.99,-125.98) K9(94.49,-125.98) K10(125.98,-125.98) K11(157.48,-125.98) L1(-157.48,-157.48) L2(-125.98,-157.48) L3(-94.49,-157.48) L4(-62.99,-157.48) L5(-31.5,-157.48) L6(0,-157.48) L7(31.5,-157.48) L8(62.99,-157.48) L9(94.49,-157.48) L10(125.98,-157.48) L11(157.48,-157.48)
  silkscreen extent -209,-209 209,209, body extent -204,-204 205,204, height 39
BLM15BA750SN1D [mm]
  rect 0.4x0.5 smd: 1(-0.4,0) 2(0.4,0)
  silkscreen extent -0.89,-0.53 0.89,0.56
BLM21 [mm]
  rect 1x1.3 smd: 1(-1.1,0) 2(1.1,0)
  silkscreen extent -1.01,-0.97 1.1,0.99, body extent -1,-0.6 1,0.6, height 0.95
C0603C061H180J [mm] "TCK 0201 pulgadas 18pf"
  rect 0.25x0.35 smd mask+0.05: 1(-0.275,0) 2(0.275,0)
  silkscreen extent -0.3,-0.33 0.3,0.33
CapTalCaseM [mm]
  rect 0.61x0.7 smd: 1(-0.67,0) 2(0.67,0)
  silkscreen extent -1.3,-0.66 1.27,0.66, body extent -0.85,-0.47 0.85,0.47, height 0.89
CP_16_4 [mil]
  rect 42x14 smd mask+4: 1(-69.5,38.39) 2(-69.5,12.8) 3(-69.5,-12.8) 4(-69.5,-38.39) 9(69.5,-38.39) 10(69.5,-12.8) 11(69.5,12.8) 12(69.5,38.39)
  rect 14x42 smd mask+4: 5(-38.39,-69.5) 6(-12.8,-69.5) 7(12.8,-69.5) 8(38.39,-69.5) 13(38.39,69.5) 14(12.8,69.5) 15(-12.8,69.5) 16(-38.39,69.5)
  rect 89x89 smd mask-44: 17(0,0)
  silkscreen extent -78,-78 110,78, body extent -78,-78 78,78, height 31
CP_16_26 [mil]
  rect 32x14 smd mask+4: 1(-76.5,38.39) 2(-76.5,12.8) 3(-76.5,-12.8) 4(-76.5,-38.39) 9(76.5,-38.39) 10(76.5,-12.8) 11(76.5,12.8) 12(76.5,38.39)
  rect 14x32 smd mask+4: 5(-38.39,-76.5) 6(-12.8,-76.5) 7(12.8,-76.5) 8(38.39,-76.5) 13(38.39,76.5) 14(12.8,76.5) 15(-12.8,76.5) 16(-38.39,76.5)
  rect 104x104 smd mask-51.5: 17(0,0)
  silkscreen extent -80,-80 112,80, body extent -80,-80 80,80, height 31
CP_48_13 [mm]
  rect 0.755x0.3 smd: 1(-3.433,2.75) 2(-3.433,2.25) 3(-3.433,1.75) 4(-3.433,1.25) 5(-3.433,0.75) 6(-3.433,0.25) 7(-3.433,-0.25) 8(-3.433,-0.75) 9(-3.433,-1.25) 10(-3.433,-1.75) 11(-3.433,-2.25) 12(-3.433,-2.75) 25(3.433,-2.75) 26(3.433,-2.25) 27(3.433,-1.75) 28(3.433,-1.25) 29(3.433,-0.75) 30(3.433,-0.25) 31(3.433,0.25) 32(3.433,0.75) 33(3.433,1.25) 34(3.433,1.75) 35(3.433,2.25) 36(3.433,2.75)
  rect 0.3x0.755 smd: 13(-2.75,-3.433) 14(-2.25,-3.433) 15(-1.75,-3.433) 16(-1.25,-3.433) 17(-0.75,-3.433) 18(-0.25,-3.433) 19(0.25,-3.433) 20(0.75,-3.433) 21(1.25,-3.433) 22(1.75,-3.433) 23(2.25,-3.433) 24(2.75,-3.433) 37(2.75,3.433) 38(2.25,3.433) 39(1.75,3.433) 40(1.25,3.433) 41(0.75,3.433) 42(0.25,3.433) 43(-0.25,3.433) 44(-0.75,3.433) 45(-1.25,3.433) 46(-1.75,3.433) 47(-2.25,3.433) 48(-2.75,3.433)
  rect 5.6x5.6 smd mask-2.781: 49(0,0)
  silkscreen extent -4.32,-4.32 4.32,4.32, body extent -3.52,-3.5 3.5,3.52, height 0.8
D8 [mil]
  rect 78x22 smd: 1(-97,75) 2(-97,25) 3(-97,-25) 4(-97,-75) 5(97,-75) 6(97,-25) 7(97,25) 8(97,75)
  silkscreen extent -84,-104 84,104, body extent -118,-96 118,96, height 69
FA-20H [mm]
  rect 1.2x1.1 smd: 1(-0.85,-0.7) 2(0.85,-0.7) 3(0.85,0.7) 4(-0.85,0.7)
  silkscreen extent -1.78,-1.57 1.78,1.57, body extent -1.3,-1.05 1.3,1.05, height 0.55